# KiCad board panel.opm-inline.kicad_pcb (continued)
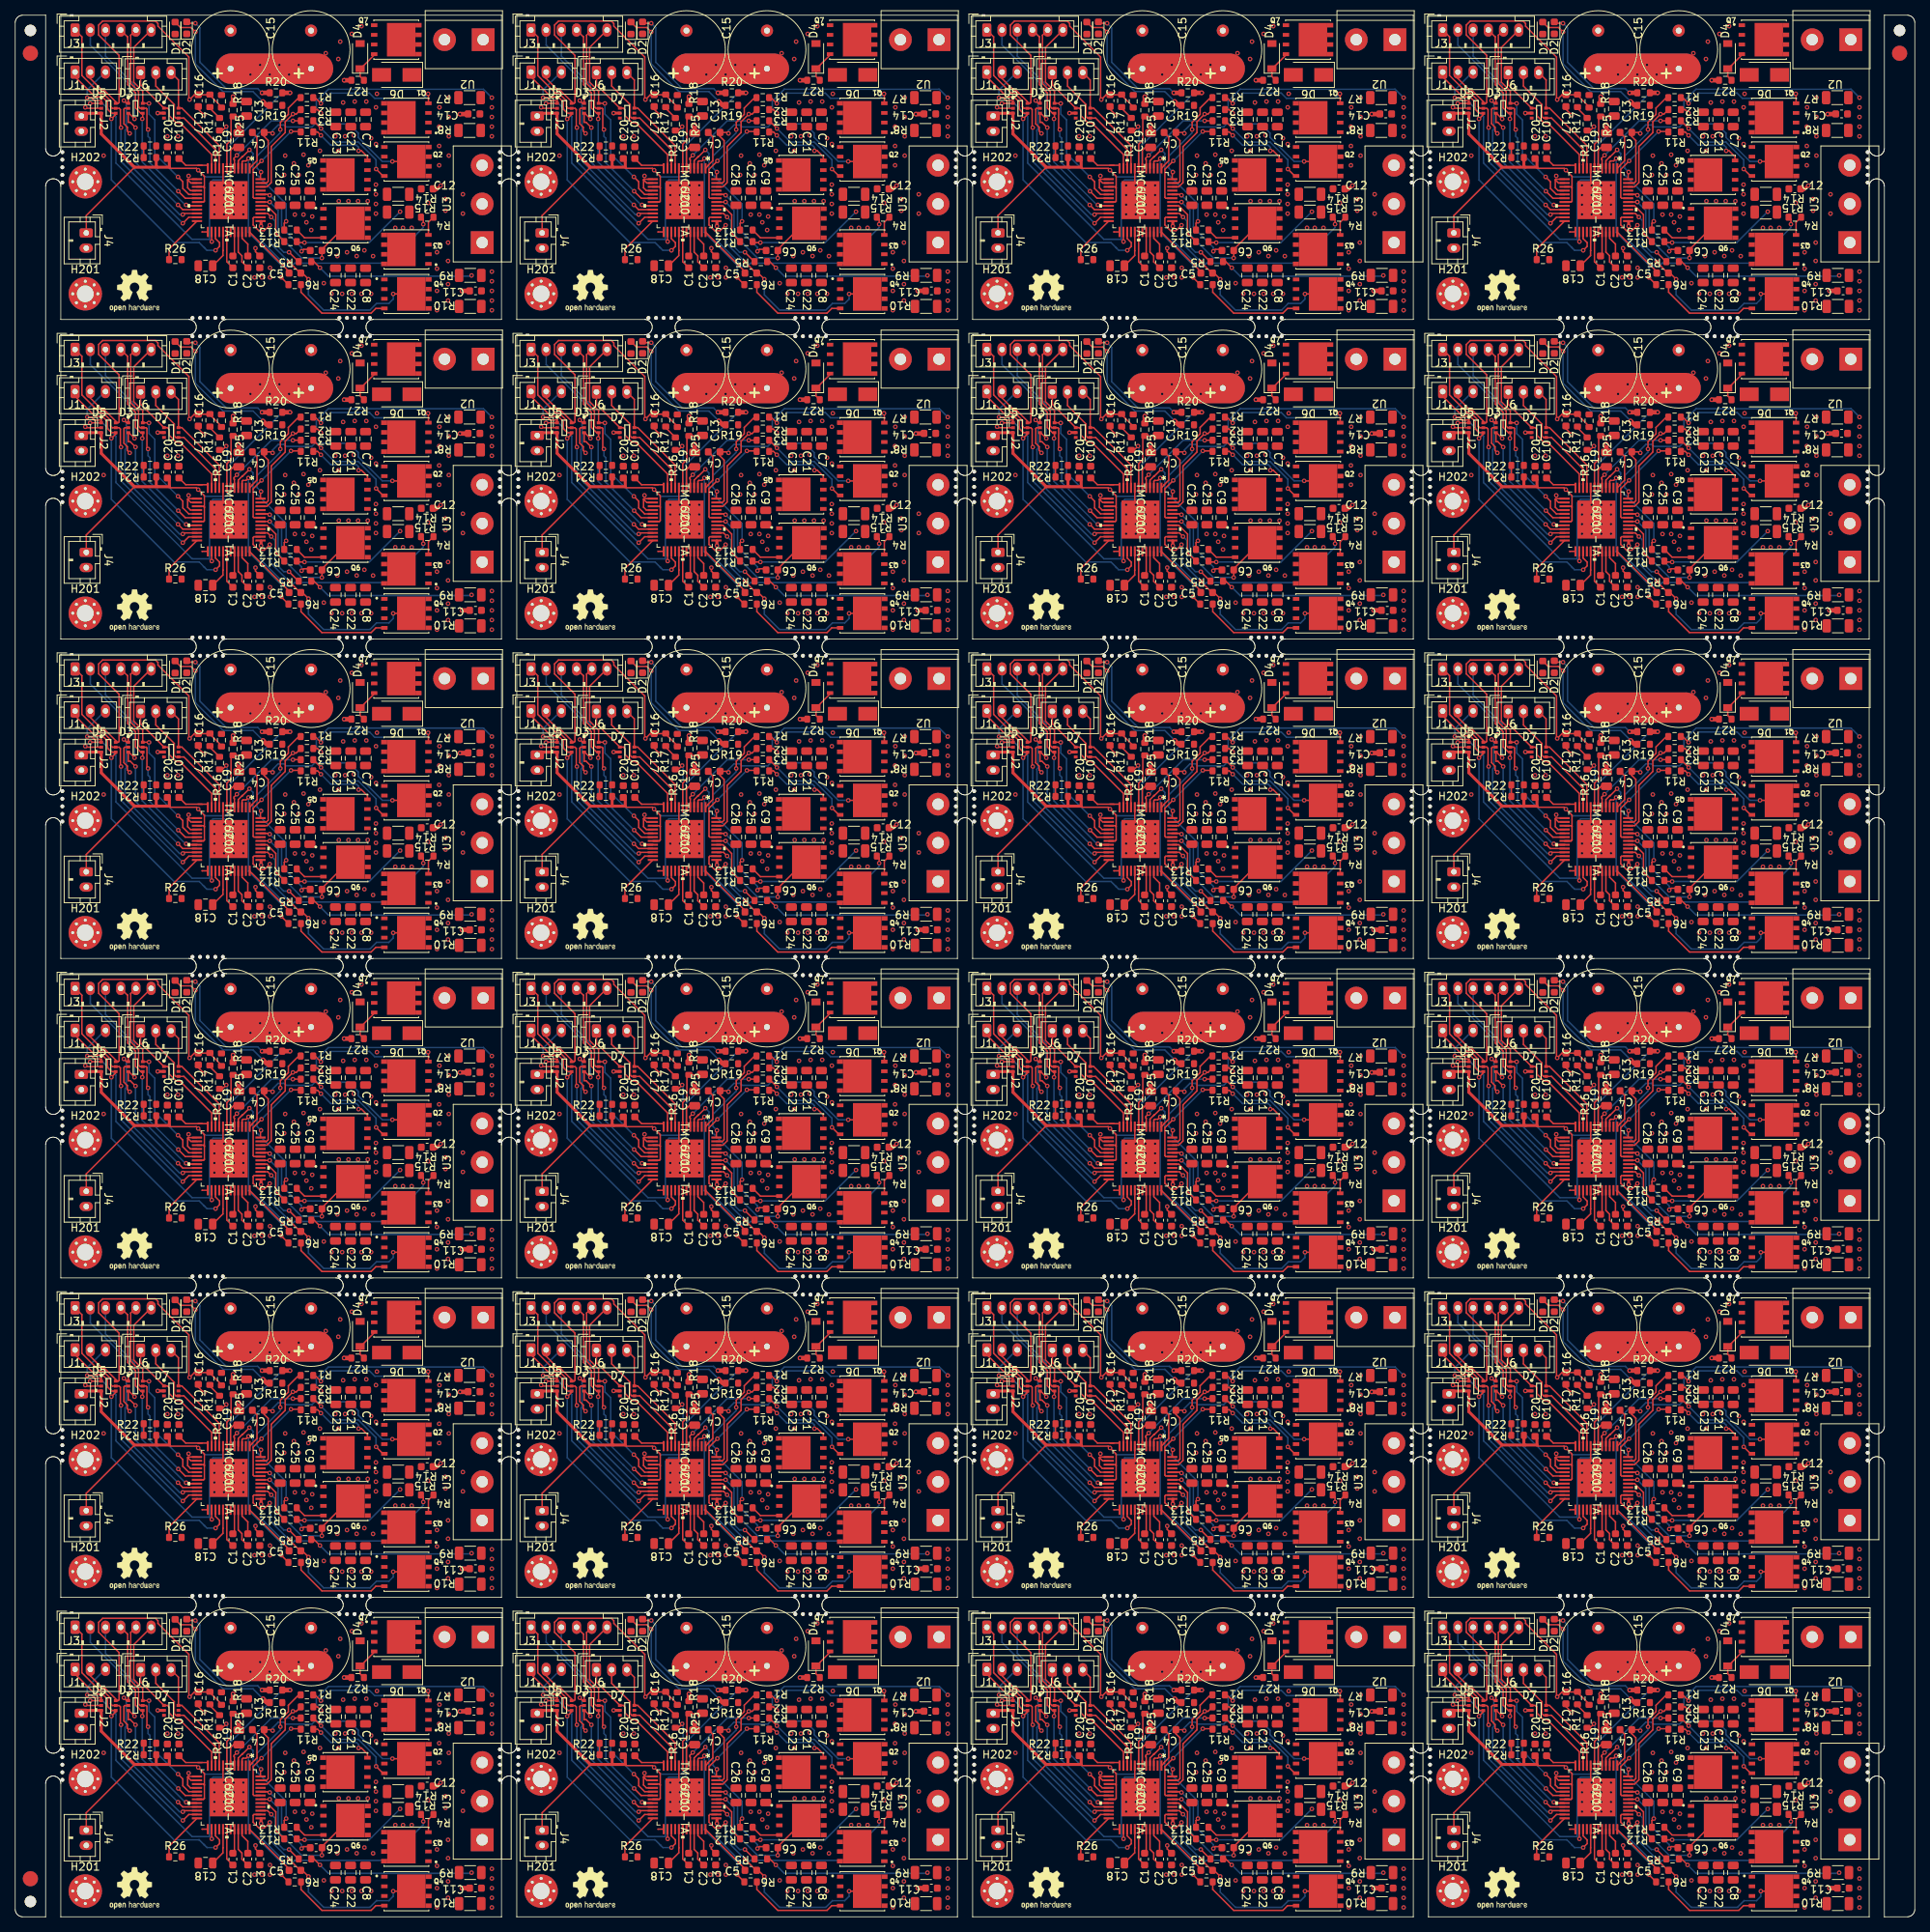
[diagram p0: board, top side]
## Routing (per net, layer and track width the routed paths; a pad name or vN(x,y) marks a point on that pad's centre or on a via; arc(x,y) is an arc through that point) (continued)
Board_4-GND: length 31.2
  Top w0.2: 59.54,194.97 C14#24.2 ; C17#18.2 24.07,195.6 v1(24.84,194.84) ; D5#22.2 9.34,195.73 v1(9.21,195.86) ; 24.58,179.47 24.59,179.48 IC1#12.25 25.33,179.37 ; 29.83,185.41 IC1#12.EPAD ; IC1#12.EPAD 27.33,184.41 IC1#12.8 ; IC1#12.EPAD 25.83,181.41 ; v1(15.06,192.43) 14.76,192.73 14.76,193.23 14.29,193.7 14.29,195.6 14.42,195.73 D3#3.2 ; C3.2 31.59,176.88 v1(31.59,177.34) ; 18.74,195.09 v1(18.74,195.09) ; IC1#12.13 22.75,186.41 22.68,186.33 ; IC1#12.14 23.1,185.91 22.68,186.33 ; 22.68,186.33 22.68,185.28 23.05,184.91 IC1#12.16
  Top w0.4: 54.95,185.06 55.44,185.06 v1(55.95,185.57) ; D7#12.2 18.74,195.09
  Top w0.6: v1(43.25,199.41) R27#8.2 ; v1(58.74,171.73) C11#3.2 ; v1(58.49,194.97) 59.54,194.97 ; C19#6.2 v1(29.41,193.57)
  vias: v1(11.63,189.51) v1(20.01,192.05) v1(21.41,192.05) v1(22.8,186.84) v1(26.19,185.6) v1(26.19,184.33) v1(26.19,183.06) v1(26.19,181.79) v1(27.46,185.6) v1(27.46,184.33) v1(27.46,183.06) v1(27.46,181.79) v1(28.73,185.6) v1(28.73,184.33) v1(28.73,183.06) v1(28.73,181.79) v1(30,185.6) v1(30,184.33) v1(30,183.06) v1(30,181.79) v1(36.77,181.76) v1(37.92,181.76) v1(38.3,180.74) v1(38.93,179.73) v1(39.06,181.5) v1(40.58,172.74) v1(41.6,171.34) v1(42.11,192.05) v1(43,171.34) v1(43.38,192.05) v1(44.27,171.34) v1(44.52,192.17) v1(45.54,171.34) v1(46.81,191.79) v1(46.81,171.34) v1(47.44,191.03)
Board_4-Net-(C1-Pad1): length 5
  Top w0.2: IC1#12.30 27.83,175.56 C1.1
Board_4-Net-(C1-Pad2): length 3.2
  Top w0.2: C1.2 28.83,176.53 IC1#12.32
Board_4-Net-(C2-Pad2): length 3.5
  Top w0.2: IC1#12.34 29.83,178.64 30.59,177.88 C2#10.2
Board_4-Net-(C4-Pad1): length 31
  Top w0.2: C4#22.1 32.74,192.08 ; C4#22.1 33.73,192.55 v1(33.85,192.43) ; C4#22.1 32.74,192.02 33.27,191.48 33.27,186.13 33.05,185.91 IC1#12.47 ; v1(49.6,188.74) 49.61,188.74 Q2#20.5
  Bottom w0.2: v1(33.85,192.43) 33.85,192.81 34.58,193.53 35.34,193.53 35.6,193.28 39.03,193.28 39.42,193.67 43.91,193.67 45.12,192.46 45.12,191.9 48.28,188.74 v1(49.6,188.74)
  vias: v1(55.79,195.86) v1(55.75,193.32) v1(55.75,190.78) v1(55.75,188.24) v1(57.02,197.13) v1(57.02,194.59) v1(57.02,192.05) v1(57.02,189.51)
Board_4-Net-(C4-Pad2): length 5.4
  Top w0.2: C4#22.2 31.79,191.95 31.79,188.84 31.19,188.24 31.19,188.19 IC1#12.1
Board_4-Net-(C5-Pad1): length 7.4
  Top w0.2: IC1#12.36 30.83,179.45 36.01,174.27
Board_4-Net-(C5-Pad2): length 31.7
  Top w0.2: v1(49.71,171.33) Q4#23.5 ; v1(38.56,173.26) 37.76,174.07 C5.2 ; v1(33.47,180.36) 32.74,179.63 32.04,179.63 31.29,180.39 31.29,181.29 31.41,181.41 IC1#12.38 ; 37.56,174.27 37.28,174.27 v1(36.01,175.54)
  Bottom w0.2: v1(33.47,180.36) 33.57,180.26 33.57,177.98 v1(36.01,175.54) ; v1(49.71,171.33) 49.71,170.64 49.14,170.07 47.51,170.07 46.64,169.21 40.56,169.21 38.56,171.2 v1(38.56,173.26)
  vias: v1(55.46,176.81) v1(55.46,174.65) v1(55.46,171.73) v1(55.46,169.19) v1(56.92,178.08) v1(56.92,175.66) v1(56.92,172.61) v1(56.92,170.46)
Board_4-Net-(C6-Pad1): length 19.3
  Top w0.2: v1(33.47,183.41) 33.47,183.41 IC1#12.42 ; Q6#15.5 43.77,180.62 40.34,177.19 40.34,176.06 v1(40.33,176.04)
  Bottom w0.2: v1(33.47,183.41) 34.57,182.31 34.57,179.14 37.66,176.04 v1(40.33,176.04)
  vias: v1(42.55,183.53) v1(43.82,183.53) v1(45.09,183.53) v1(46.36,183.53) v1(47.43,185.7) v1(47.43,184.43) v1(47.43,183.16) v1(47.43,181.89)
Board_4-Net-(C6-Pad2): length 12.4
  Top w0.2: v1(37.66,176.93) 37.92,177.19 38.79,177.19 ; v1(33.47,184.3) 33.36,184.41 IC1#12.44 33.11,184.41
  Bottom w0.2: v1(37.66,176.93) 37.66,177.44 35.03,180.07 35.03,182.74 v1(33.47,184.3)
Board_4-Net-(D1-Pad2): length 19.4
  Top w0.2: R19#22.1 33.09,196.11 ; D1#3.2 21.74,206.35 23.11,206.35 v1(23.69,205.76)
  Top w0.6: 33.09,196.11 v1(32.58,196.62)
  Bottom w0.2: v1(23.69,205.76) 23.69,201.57 27.34,197.92 31.28,197.92 v1(32.58,196.62)
Board_4-Net-(D2-Pad2): length 17.4
  Top w0.2: v1(23.69,206.9) 22.73,206.9 D2#17.2
  Top w0.6: R20#7.1 v1(32.46,197.76)
  Bottom w0.2: v1(23.69,206.9) 24.29,206.3 24.29,201.78 27.75,198.32 31.89,198.32 v1(32.46,197.76)
Board_4-Net-(D4-Pad1): length 4.4
  Top w0.2: 45.41,200.94 47.21,202.74 Q7#13.4 ; D4#22.1 45.36,199.91 R27#8.1
Board_4-Net-(IC1-Pad3): length 20.6
  Top w0.2: v1(30.68,189.12) 30.36,188.81 29.95,188.81 29.83,188.69 IC1#12.3 ; v1(35,173.5) 35,173.48 R6#10.2
  Bottom w0.2: v1(30.68,189.12) 30.68,179.42 35,175.1 v1(35,173.5)
Board_4-Net-(IC1-Pad4): length 16.7
  Top w0.2: 29.83,189.34 29.92,189.42 ; 29.83,189.34 29.33,188.84 IC1#12.4 29.33,188.65 ; 29.83,189.34 29.87,189.34 v1(30.8,190.27) ; v1(35.63,180.87) 35.38,180.62 R13#18.2
  Bottom w0.2: v1(35.63,180.87) 35.63,183.16 31.28,187.51 31.28,189.79 v1(30.8,190.27)
Board_4-Net-(IC1-Pad5): length 12.2
  Top w0.2: v1(29.15,189.55) 28.77,189.17 28.77,189 28.83,188.94 IC1#12.5 ; R3#15.2 36.53,194.09 v1(36.52,194.08)
  Bottom w0.2: v1(29.15,189.55) 33.68,194.08 v1(36.52,194.08)
Board_4-Net-(IC1-Pad24): length 6.6
  Top w0.2: R26.1 20.23,177.23 IC1#12.24
Board_4-Net-(IC1-Pad37): length 28.9
  Top w0.2: v1(53.66,180.49) 53.66,181.11 R4#9.2 ; 32.33,180.84 IC1#12.37
  Top w0.4: v1(32.33,180.23) 32.33,180.84
  Bottom w0.2: v1(53.66,180.49) 53.66,180.06 48.97,175.37 36.74,175.37 36.3,174.94 35.72,174.94 32.33,178.33 v1(32.33,180.23)
Board_4-Net-(IC1-Pad39): length 9.3
  Top w0.2: 37.28,175.77 37.05,175.77 v1(36.01,176.81) ; v1(33.67,181.43) 33.2,181.91 IC1#12.39
  Bottom w0.2: v1(33.67,181.43) 34.17,180.93 34.17,177.94 35.31,176.81 v1(36.01,176.81)
Board_4-Net-(IC1-Pad41): length 6.5
  Top w0.2: IC1#12.41 33.11,182.91 34.27,181.75 34.27,179.31 R12#10.2
Board_4-Net-(IC1-Pad43): length 13.1
  Top w0.2: IC1#12.43 31.41,183.91 31.29,184.03 31.29,187.7 v1(32.39,188.81) ; v1(36.27,192.68) 37.49,192.68 R11#13.2
  Bottom w0.2: v1(32.39,188.81) v1(36.27,192.68)
Board_4-Net-(IC1-Pad46): length 13.1
  Top w0.2: IC1#12.46 33.11,185.41 33.67,185.96 33.67,190.7 35.5,192.54 35.5,193.95 v1(36.52,194.97) 36.96,194.97 R2#24.2
Board_4-Net-(IC1-Pad48): length 13.8
  Top w0.2: R1#14.2 37.28,197.13 35.92,195.76 35.92,194.93 34.87,193.88 v1(34.87,192.93) ; v1(32.33,187.35) 32.26,187.28 IC1#12.48
  Bottom w0.2: v1(34.87,192.93) 34.87,192.51 31.79,189.43 31.79,187.88 v1(32.33,187.35) 32.33,187.6
Board_4-Net-(Q1-Pad4): length 17.8
  Top w0.2: Q1#10.4 54.34,197.59 v1(54.3,197.63) ; R1#14.1 39.44,197.13 v1(40.2,196.36)
  Bottom w0.2: v1(54.3,197.63) 53.7,197.03 47.28,197.03 46.59,197.73 41.56,197.73 v1(40.2,196.36)
Board_4-Net-(Q2-Pad4): length 13.2
  Top w0.2: v1(47.46,187.74) 48.37,186.83 Q2#20.4 ; 40.33,192.96 v1(40.21,193.07) R3#15.1
  Bottom w0.2: v1(47.46,187.74) 47.46,188.95 45.12,191.28 42,191.28 v1(40.21,193.07)
Board_4-Net-(Q3-Pad4): length 2.6
  Top w0.2: R4#9.1 54.34,180.75 Q3#12.4
Board_4-Net-(Q4-Pad4): length 13.5
  Top w0.2: Q4#23.4 47.42,169.42 46.81,168.8 40.33,168.8 37.58,171.55 R6#10.1 37.78,172.55
Board_4-Net-(Q5-Pad4): length 9.2
  Top w0.2: v1(40.2,192.17) 39.76,192.62 R11#13.1 ; Q5#2.4 46.32,189.36 45.54,190.14 v1(45.16,190.14)
  Bottom w0.2: v1(40.2,192.17) 41.5,190.88 44.88,190.88 45.16,190.6 v1(45.16,190.14)
Board_4-Net-(Q6-Pad4): length 3.9
  Top w0.2: R13#18.1 38.04,178.71 Q6#15.4
Board_4-Net-(R16-Pad2): length 2
  Top w0.2: R16.2 25.6,195.73 R17#14.1
Board_5-/+VM: length 61.7
  Top w0.2: IC1#7.33 89.28,176.82 89.77,176.34 89.77,175.54 C2#4.1
  Top w0.6: R25#5.2 v1(88.6,197.25)
  Top w4: 88.34,200.94 99.77,200.94
  In1.Cu w4: 88.6,200.94 98.4,200.94
  In2.Cu w4: 88.34,200.94 99.77,200.94 88.34,200.94
  Bottom w4: 88.34,200.94 99.77,200.94
  vias: v1(90.88,200.17) v1(91.41,173.5) v1(92.15,201.44) v1(92.38,173.5) v1(93.42,200.17) v1(93.45,174.77) v1(93.45,173.5) v1(94.69,201.44) v1(95.33,186.97) v1(95.45,189.51) v1(95.96,200.17) v1(96.6,188.49) v1(97.23,201.44) v1(97.23,186.97) v1(97.87,189.63) v1(98.5,188.24) v1(100.03,190.14) v1(100.79,202.97) v1(102.31,176.31) v1(102.44,202.21) v1(102.44,190.14) v1(102.69,204.49) v1(103.07,196.49) v1(103.58,176.81) v1(104.22,205.51) v1(104.6,196.62) v1(104.85,176.31) v1(105.49,206.52) v1(105.87,177.06) v1(106.12,196.62) v1(107.01,176.3) v1(107.39,195.86) v1(107.52,197.63) v1(109.93,180.02) v1(110.95,180.02) v1(112.09,180.02)
Board_5-/ADC_I_u: length 15.5
  Top w0.2: IC1#7.9 86.78,190.83 81.87,195.74 D7#4.6 81.42,199.45 J6#12.3
Board_5-/ADC_I_v: length 17.7
  Top w0.2: 86.22,188.32 86.28,188.26 IC1#7.10 86.28,190.3 82.13,194.44 D7#4.4 81.08,194.44 80.87,194.65 80.87,196.22 78.44,198.65 J6#12.2 78.94,199.92
Board_5-/ADC_I_w: length 17
  Top w0.2: IC1#7.11 85.78,189.65 81.61,193.82 81.13,193.82 80.21,194.74 80.21,195.5 79.97,195.74 D7#4.1 76.44,198.83 J6#12.1
Board_5-/Connectors/VOFS: length 1.8
  Top w0.2: R22#14.1 R21#5.2 ; 76.53,189.12 76.85,189.12
Board_5-/DRV_EN: length 38.5
  Top w0.2: v1(72.59,194.33) 73.16,194.9 D5#21.4 72.61,195.08 72.09,195.6 72.09,196.55 71.39,197.24 70.45,197.24 67.82,199.87 J1#14.1 ; v1(86.3,177.06) 86.82,177.58 86.82,178.07 86.28,178.6 IC1#7.27 86.28,179.06 86.3,179.04
  Bottom w0.2: 84.79,177.44 84.91,177.31 ; 84.79,177.44 84.15,178.08 80.83,178.08 72.59,186.31 v1(72.59,194.33) ; 84.79,177.44 85.17,177.06 v1(86.3,177.06)
Board_5-/FAULT: length 63.4
  Top w0.2: v1(69.8,196.36) 69.82,196.38 D5#21.1 71.26,196.69 ; 71.32,196.74 70.38,196.74 70,197.13 v1(69.42,197.13) ; v1(85.8,178.2) 85.78,178.22 IC1#7.26
  Top w0.6: R20#11.2 v1(96.09,197.76)
  Bottom w0.2: 73.1,194.71 72.88,194.93 ; 73.1,194.71 73.19,194.62 73.19,188.53 83.22,178.5 85.5,178.5 ; 73.1,194.71 71.45,196.36 v1(69.8,196.36) ; 85.5,178.5 v1(85.8,178.2) ; 85.5,178.5 85.5,185.84 85.97,186.31 88,186.31 88.23,186.55 88.23,190.92 R20#11.2 v1(96.09,197.76) ; J1#14.3 71.76,200.49 69.42,198.14 v1(69.42,197.13)
Board_5-/Motor Driver/VOFS: length 4.7
  Top w0.2: 83.99,188.24 85.26,188.24 ; C10#7.1 82.37,188.24 84.53,188.24
Board_5-/TEMP_PCB: length 42.5
  Top w0.2: 73.16,203.13 73.15,203.14 ; 73.15,203.14 73.61,202.68 73.61,196.49 73.5,196.38 D5#21.6 73.16,196.6 71.73,198.04 71.43,198.04 69.82,199.64 J1#14.2 ; 73.15,203.14 70.92,205.37 70.92,206.66 71.45,207.19 78.4,207.19 78.72,206.87 78.72,206.53 82.79,202.46 82.79,196.96 v1(82.88,196.87) 83.52,197.51 C17#7.1 85.52,197.51 R17#24.2 85.55,197.44 87.07,195.92
Board_5-/U: length 27.2
  Top w0.2: R2#15.1 99.69,195.56 v1(100.15,195.09)
  Bottom w0.2: v1(122.63,197.13) 121.52,198.23 101.14,198.23 99.55,196.65 99.55,195.69 v1(100.15,195.09)
  vias: v1(122.63,195.86) v1(122.63,194.59) v1(122.63,193.32) v1(122.63,192.05)
Board_5-/UH: length 27.5
  Top w0.2: v1(81.36,186.71) 81.99,186.08 81.99,185.19 82.77,184.41 IC1#7.17 ; 77.82,205.66 J3#11.6 75.54,203.73 75.54,199.16 76.72,197.98 D3#22.6 77.53,196.38 v1(77.55,196.36)
  Bottom w0.2: v1(77.55,196.36) 77.55,194.97 78.31,194.21 78.31,189.76 v1(81.36,186.71)
Board_5-/UL: length 27.4
  Top w0.2: v1(77.42,192.93) 77.27,193.09 77.27,195.63 77.17,195.73 D3#22.5 76.38,195.73 76.17,195.94 76.17,197.94 76.02,198.08 76.02,198.11 75.14,198.99 75.14,205.33 J3#11.5 ; IC1#7.18 82.31,183.91 v1(81.39,184.83)
  Bottom w0.2: v1(77.42,192.93) 77.42,192.05 77.67,191.79 77.67,188.54 v1(81.39,184.83)
Board_5-/V: length 15.3
  Top w0.2: R12#19.1 97.1,178.08 v1(97.99,178.08)
  Bottom w0.2: v1(110.57,182.14) 106.5,178.08 v1(97.99,178.08)
  vias: v1(114.25,183.28) v1(116.54,183.79) v1(116.54,182.27) v1(118.82,184.43) v1(118.82,181.89)
Board_5-/VH: length 30.4
  Top w0.2: v1(82.43,183.03) 82.55,182.91 IC1#7.20 82.98,182.91 ; D3#22.4 76.46,195.08 75.77,195.77 75.77,197.76 75.37,198.16 75.37,198.2 74.74,198.83 74.74,205.13 74.71,205.13 J3#11.4 ; D3#22.4 76.52,195.08 ; D3#22.4 76.72,194.27
  Bottom w0.2: 76.66,194.2 76.66,188.67 82.43,182.91 82.24,182.91 82.24,183.02 ; 74.37,205.47 J3#11.4
  vias: v1(76.66,194.33)
Board_5-/VL: length 32.1
  Top w0.2: IC1#7.21 81.98,182.41 v1(81.36,183.03) ; v1(75.64,194.33) 74.9,195.08 D3#22.3 ; 74.88,195.02 D3#22.3 ; D3#22.3 74.82,193.88 75.07,193.88 v1(75.77,193.19)
  Bottom w0.2: v1(75.64,194.33) 75.64,198.78 71.82,202.6 J3#11.3 ; v1(81.36,183.03) 75.77,188.62 v1(75.77,193.19)
Board_5-/VSA: length 5
  Top w0.2: C18#21.1 87.27,176.38 87.27,177.02 87.28,177.03 IC1#7.29
Board_5-/W: length 21.9
  Top w0.2: 98.91,175.79 98.88,175.77 ; R5#7.1 99.23,175.57 v1(100.03,174.77)
  Bottom w0.2: v1(100.03,174.77) 101.13,173.67 119.87,173.67 v1(119.97,173.76)
  vias: v1(122.63,174.27) v1(122.63,173) v1(122.63,171.73) v1(122.63,170.46) v1(122.63,169.19)
Board_5-/WH: length 33.7
  Top w0.2: v1(74.25,196.74) 74.61,196.38 D3#22.1 ; IC1#7.22 82.14,181.91 v1(81.99,181.76) ; D3#22.1 74.75,196.44 ; D3#22.1 74.82,197.19 v1(75.01,197.38)
  Bottom w0.2: 74.86,188.47 81.57,181.76 v1(81.99,181.76) ; 74.86,188.47 74.41,188.92 74.41,192.84 74.55,192.98 74.55,196.44 v1(74.25,196.74) ; 74.86,188.47 74.75,188.57 ; 73.46,200.39 73.26,200.59 ; 73.26,200.59 69.82,204.03 J3#11.2 ; 73.26,200.59 74.66,199.19 ; 74.75,199.1 74.66,199.19 ; 74.66,199.19 75.01,198.85 v1(75.01,197.38)
Board_5-/WL: length 34.8
  Top w0.2: IC1#7.23 82.78,181.41 v1(81.99,180.62) ; v1(73.86,193.19) 73.78,193.27 73.78,195.56 73.61,195.73 D5#21.5 72.71,195.73 72.49,195.96 72.49,196.71 71.56,197.64 71.12,197.64 68.72,200.04 68.72,205.12 J3#11.1 67.84,206.02
  Bottom w0.2: v1(81.99,180.62) 73.86,188.74 v1(73.86,193.19) ; 67.82,205.47 J3#11.1
Board_5-GND: length 31.2
  Top w0.2: 119.49,194.97 C14#19.2 ; C17#7.2 84.02,195.6 v1(84.79,194.84) ; D5#21.2 69.29,195.73 v1(69.17,195.86) ; 84.53,179.47 84.54,179.48 IC1#7.25 85.28,179.37 ; 89.78,185.41 IC1#7.EPAD ; IC1#7.EPAD 87.28,184.41 IC1#7.8 ; IC1#7.EPAD 85.78,181.41 ; v1(75.01,192.43) 74.71,192.73 74.71,193.23 74.25,193.7 74.25,195.6 74.37,195.73 D3#22.2 ; C3#10.2 91.54,176.88 v1(91.54,177.34) ; IC1#7.13 82.7,186.41 82.63,186.33 ; IC1#7.14 83.05,185.91 82.63,186.33 ; 82.63,186.33 82.63,185.28 83,184.91 IC1#7.16
  Top w0.4: 114.9,185.06 115.39,185.06 v1(115.9,185.57) ; D7#4.2 v1(78.69,195.09)
  Top w0.6: v1(103.2,199.41) R27#15.2 ; v1(118.7,171.73) C11#8.2 ; v1(118.44,194.97) 119.49,194.97 ; C19#21.2 v1(89.36,193.57)
  vias: v1(71.58,189.51) v1(79.96,192.05) v1(81.36,192.05) v1(82.75,186.84) v1(86.14,185.6) v1(86.14,184.33) v1(86.14,183.06) v1(86.14,181.79) v1(87.41,185.6) v1(87.41,184.33) v1(87.41,183.06) v1(87.41,181.79) v1(88.68,185.6) v1(88.68,184.33) v1(88.68,183.06) v1(88.68,181.79) v1(89.95,185.6) v1(89.95,184.33) v1(89.95,183.06) v1(89.95,181.79) v1(96.72,181.76) v1(97.87,181.76) v1(98.25,180.74) v1(98.88,179.73) v1(99.01,181.5) v1(100.53,172.74) v1(101.55,171.34) v1(102.06,192.05) v1(102.95,171.34) v1(103.33,192.05) v1(104.22,171.34) v1(104.47,192.17) v1(105.49,171.34) v1(106.76,191.79) v1(106.76,171.34) v1(107.39,191.03)
Board_5-Net-(C1-Pad1): length 5
  Top w0.2: IC1#7.30 87.78,175.56 C1#2.1
Board_5-Net-(C1-Pad2): length 3.2
  Top w0.2: C1#2.2 88.78,176.53 IC1#7.32
Board_5-Net-(C2-Pad2): length 3.5
  Top w0.2: IC1#7.34 89.78,178.64 90.54,177.88 C2#4.2
Board_5-Net-(C4-Pad1): length 31
  Top w0.2: C4#16.1 92.69,192.08 ; C4#16.1 93.68,192.55 v1(93.8,192.43) ; C4#16.1 92.69,192.02 93.22,191.48 93.22,186.13 93,185.91 IC1#7.47 ; v1(109.55,188.74) 109.56,188.74 Q2#24.5
  Bottom w0.2: v1(93.8,192.43) 93.8,192.81 94.53,193.53 95.29,193.53 95.55,193.28 98.98,193.28 99.37,193.67 103.86,193.67 105.07,192.46 105.07,191.9 108.23,188.74 v1(109.55,188.74)
  vias: v1(115.7,193.32) v1(115.7,190.78) v1(115.7,188.24) v1(115.74,195.86) v1(116.97,197.13) v1(116.97,194.59) v1(116.97,192.05) v1(116.97,189.51)
Board_5-Net-(C4-Pad2): length 5.4
  Top w0.2: C4#16.2 91.74,191.95 91.74,188.84 91.14,188.24 91.14,188.19 IC1#7.1
Board_5-Net-(C5-Pad1): length 7.4
  Top w0.2: IC1#7.36 90.78,179.45 95.96,174.27
Board_5-Net-(C5-Pad2): length 31.7
  Top w0.2: v1(109.66,171.33) Q4#11.5 ; v1(98.52,173.26) 97.71,174.07 C5#17.2 ; v1(93.42,180.36) 92.7,179.63 91.99,179.63 91.24,180.39 91.24,181.29 91.36,181.41 IC1#7.38 ; 97.51,174.27 97.23,174.27 v1(95.96,175.54)
  Bottom w0.2: v1(93.42,180.36) 93.52,180.26 93.52,177.98 v1(95.96,175.54) ; v1(109.66,171.33) 109.66,170.64 109.09,170.07 107.46,170.07 106.59,169.21 100.51,169.21 98.52,171.2 v1(98.52,173.26)
  vias: v1(115.41,176.81) v1(115.41,174.65) v1(115.41,171.73) v1(115.41,169.19) v1(116.87,178.08) v1(116.87,175.66) v1(116.87,172.61) v1(116.87,170.46)
Board_5-Net-(C6-Pad1): length 19.3
  Top w0.2: v1(93.42,183.41) 93.42,183.41 IC1#7.42 ; Q6#2.5 103.72,180.62 100.29,177.19 100.29,176.06 v1(100.28,176.04)
  Bottom w0.2: v1(93.42,183.41) 94.52,182.31 94.52,179.14 97.61,176.04 v1(100.28,176.04)
  vias: v1(102.5,183.53) v1(103.77,183.53) v1(105.04,183.53) v1(106.31,183.53) v1(107.38,185.7) v1(107.38,184.43) v1(107.38,183.16) v1(107.38,181.89)
Board_5-Net-(C6-Pad2): length 12.4
  Top w0.2: v1(97.61,176.93) 97.87,177.19 98.74,177.19 ; v1(93.42,184.3) 93.32,184.41 IC1#7.44 93.06,184.41
  Bottom w0.2: v1(97.61,176.93) 97.61,177.44 94.98,180.07 94.98,182.74 v1(93.42,184.3)
Board_5-Net-(D1-Pad2): length 19.4
  Top w0.2: R19#16.1 93.04,196.11 ; D1#12.2 81.69,206.35 83.06,206.35 v1(83.64,205.76)
  Top w0.6: 93.04,196.11 v1(92.53,196.62)
  Bottom w0.2: v1(83.64,205.76) 83.64,201.57 87.29,197.92 91.23,197.92 v1(92.53,196.62)
Board_5-Net-(D2-Pad2): length 17.4
  Top w0.2: v1(83.64,206.9) 82.68,206.9 D2#11.2
  Top w0.6: R20#11.1 v1(92.41,197.76)
  Bottom w0.2: v1(83.64,206.9) 84.24,206.3 84.24,201.78 87.7,198.32 91.84,198.32 v1(92.41,197.76)
Board_5-Net-(D4-Pad1): length 4.4
  Top w0.2: 105.36,200.94 107.16,202.74 Q7#18.4 ; D4#18.1 105.31,199.91 R27#15.1
Board_5-Net-(IC1-Pad3): length 20.6
  Top w0.2: v1(90.63,189.12) 90.31,188.81 89.9,188.81 89.78,188.69 IC1#7.3 ; v1(94.95,173.5) 94.95,173.48 R6#9.2
  Bottom w0.2: v1(90.63,189.12) 90.63,179.42 94.95,175.1 v1(94.95,173.5)
Board_5-Net-(IC1-Pad4): length 16.7
  Top w0.2: 89.78,189.34 89.87,189.42 ; 89.78,189.34 89.28,188.84 IC1#7.4 89.28,188.65 ; 89.78,189.34 89.82,189.34 v1(90.76,190.27) ; v1(95.58,180.87) 95.33,180.62 R13#2.2
  Bottom w0.2: v1(95.58,180.87) 95.58,183.16 91.23,187.51 91.23,189.79 v1(90.76,190.27)
Board_5-Net-(IC1-Pad5): length 12.2
  Top w0.2: v1(89.1,189.55) 88.72,189.17 88.72,189 88.78,188.94 IC1#7.5 ; R3#2.2 96.48,194.09 v1(96.47,194.08)
  Bottom w0.2: v1(89.1,189.55) 93.63,194.08 v1(96.47,194.08)
Board_5-Net-(IC1-Pad24): length 6.6
  Top w0.2: R26#10.1 80.18,177.23 IC1#7.24
Board_5-Net-(IC1-Pad37): length 28.9
  Top w0.2: v1(113.62,180.49) 113.62,181.11 R4#21.2 ; 92.28,180.84 IC1#7.37
  Top w0.4: v1(92.28,180.23) 92.28,180.84
  Bottom w0.2: v1(113.62,180.49) 113.62,180.06 108.92,175.37 96.69,175.37 96.25,174.94 95.67,174.94 92.28,178.33 v1(92.28,180.23)
Board_5-Net-(IC1-Pad39): length 9.3
  Top w0.2: 97.23,175.77 97,175.77 v1(95.96,176.81) ; v1(93.62,181.43) 93.15,181.91 IC1#7.39
  Bottom w0.2: v1(93.62,181.43) 94.12,180.93 94.12,177.94 95.26,176.81 v1(95.96,176.81)
Board_5-Net-(IC1-Pad41): length 6.5
  Top w0.2: IC1#7.41 93.06,182.91 94.22,181.75 94.22,179.31 R12#19.2
Board_5-Net-(IC1-Pad43): length 13.1
  Top w0.2: IC1#7.43 91.36,183.91 91.24,184.03 91.24,187.7 v1(92.34,188.81) ; v1(96.22,192.68) 97.44,192.68 R11#22.2
  Bottom w0.2: v1(92.34,188.81) v1(96.22,192.68)
Board_5-Net-(IC1-Pad46): length 13.1
  Top w0.2: IC1#7.46 93.06,185.41 93.62,185.96 93.62,190.7 95.45,192.54 95.45,193.95 v1(96.47,194.97) 96.91,194.97 R2#15.2
Board_5-Net-(IC1-Pad48): length 13.8
  Top w0.2: R1#4.2 97.23,197.13 95.87,195.76 95.87,194.93 94.82,193.88 v1(94.82,192.93) ; v1(92.28,187.35) 92.21,187.28 IC1#7.48
  Bottom w0.2: v1(94.82,192.93) 94.82,192.51 91.74,189.43 91.74,187.88 v1(92.28,187.35) 92.28,187.6
Board_5-Net-(Q1-Pad4): length 17.8
  Top w0.2: Q1#2.4 114.29,197.59 v1(114.25,197.63) ; R1#4.1 99.39,197.13 v1(100.15,196.36)
  Bottom w0.2: v1(114.25,197.63) 113.65,197.03 107.23,197.03 106.54,197.73 101.52,197.73 v1(100.15,196.36)
Board_5-Net-(Q2-Pad4): length 13.2
  Top w0.2: v1(107.41,187.74) 108.32,186.83 Q2#24.4 ; 100.28,192.96 v1(100.16,193.07) R3#2.1
  Bottom w0.2: v1(107.41,187.74) 107.41,188.95 105.07,191.28 101.95,191.28 v1(100.16,193.07)
Board_5-Net-(Q3-Pad4): length 2.6
  Top w0.2: R4#21.1 114.29,180.75 Q3#16.4
Board_5-Net-(Q4-Pad4): length 13.5
  Top w0.2: Q4#11.4 107.37,169.42 106.76,168.8 100.28,168.8 97.53,171.55 R6#9.1 97.73,172.55
Board_5-Net-(Q5-Pad4): length 9.2
  Top w0.2: v1(100.15,192.17) 99.71,192.62 R11#22.1 ; Q5#7.4 106.27,189.36 105.49,190.14 v1(105.11,190.14)
  Bottom w0.2: v1(100.15,192.17) 101.45,190.88 104.83,190.88 105.11,190.6 v1(105.11,190.14)
Board_5-Net-(Q6-Pad4): length 3.9
  Top w0.2: R13#2.1 97.99,178.71 Q6#2.4
Board_5-Net-(R16-Pad2): length 2
  Top w0.2: R16#7.2 85.55,195.73 R17#24.1
Board_6-/+VM: length 61.7
  Top w0.2: IC1#5.33 149.23,176.82 149.72,176.34 149.72,175.54 C2#14.1
  Top w0.6: R25#15.2 v1(148.55,197.25)
  Top w4: 148.29,200.94 159.72,200.94
  In1.Cu w4: 148.55,200.94 158.35,200.94
  In2.Cu w4: 148.29,200.94 159.72,200.94 148.29,200.94
  Bottom w4: 148.29,200.94 159.72,200.94
  vias: v1(150.83,200.17) v1(151.36,173.5) v1(152.1,201.44) v1(152.33,173.5) v1(153.37,200.17) v1(153.4,174.77) v1(153.4,173.5) v1(154.64,201.44) v1(155.28,186.97) v1(155.4,189.51) v1(155.91,200.17) v1(156.55,188.49) v1(157.18,201.44) v1(157.18,186.97) v1(157.82,189.63) v1(158.45,188.24) v1(159.98,190.14) v1(160.74,202.97) v1(162.26,176.31) v1(162.39,202.21) v1(162.39,190.14) v1(162.64,204.49) v1(163.02,196.49) v1(163.53,176.81) v1(164.17,205.51) v1(164.55,196.62) v1(164.8,176.31) v1(165.44,206.52) v1(165.82,177.06) v1(166.07,196.62) v1(166.96,176.3) v1(167.34,195.86) v1(167.47,197.63) v1(169.88,180.02) v1(170.9,180.02) v1(172.04,180.02)
Board_6-/ADC_I_u: length 15.5
  Top w0.2: IC1#5.9 146.73,190.83 141.82,195.74 D7#6.6 141.37,199.45 J6#20.3
Board_6-/ADC_I_v: length 17.7
  Top w0.2: 146.17,188.32 146.23,188.26 IC1#5.10 146.23,190.3 142.08,194.44 D7#6.4 141.03,194.44 140.82,194.65 140.82,196.22 138.39,198.65 J6#20.2 138.89,199.92
Board_6-/ADC_I_w: length 17
  Top w0.2: IC1#5.11 145.73,189.65 141.56,193.82 141.08,193.82 140.16,194.74 140.16,195.5 139.92,195.74 D7#6.1 136.39,198.83 J6#20.1
Board_6-/Connectors/VOFS: length 1.8
  Top w0.2: R22#21.1 R21#21.2 ; 136.48,189.12 136.8,189.12
Board_6-/DRV_EN: length 38.5
  Top w0.2: v1(132.54,194.33) 133.11,194.9 D5#10.4 132.56,195.08 132.04,195.6 132.04,196.55 131.34,197.24 130.4,197.24 127.77,199.87 J1#18.1 ; v1(146.25,177.06) 146.77,177.58 146.77,178.07 146.23,178.6 IC1#5.27 146.23,179.06 146.25,179.04
  Bottom w0.2: 144.74,177.44 144.86,177.31 ; 144.74,177.44 144.1,178.08 140.78,178.08 132.54,186.31 v1(132.54,194.33) ; 144.74,177.44 145.12,177.06 v1(146.25,177.06)
Board_6-/FAULT: length 63.4
  Top w0.2: v1(129.75,196.36) 129.77,196.38 D5#10.1 131.21,196.69 ; 131.27,196.74 130.33,196.74 129.95,197.13 v1(129.37,197.13) ; v1(145.75,178.2) 145.73,178.22 IC1#5.26
  Top w0.6: R20#5.2 v1(156.04,197.76)
  Bottom w0.2: 133.05,194.71 132.83,194.93 ; 133.05,194.71 133.14,194.62 133.14,188.53 143.17,178.5 145.45,178.5 ; 133.05,194.71 131.4,196.36 v1(129.75,196.36) ; 145.45,178.5 v1(145.75,178.2) ; 145.45,178.5 145.45,185.84 145.92,186.31 147.95,186.31 148.18,186.55 148.18,190.92 R20#5.2 v1(156.04,197.76) ; J1#18.3 131.71,200.49 129.37,198.14 v1(129.37,197.13)
Board_6-/Motor Driver/VOFS: length 4.7
  Top w0.2: 143.94,188.24 145.21,188.24 ; C10#23.1 142.32,188.24 144.48,188.24
Board_6-/TEMP_PCB: length 42.5
  Top w0.2: 133.11,203.13 133.1,203.14 ; 133.1,203.14 133.56,202.68 133.56,196.49 133.45,196.38 D5#10.6 133.11,196.6 131.68,198.04 131.38,198.04 129.77,199.64 J1#18.2 ; 133.1,203.14 130.87,205.37 130.87,206.66 131.4,207.19 138.35,207.19 138.67,206.87 138.67,206.53 142.74,202.46 142.74,196.96 v1(142.83,196.87) 143.47,197.51 C17#10.1 145.47,197.51 R17#18.2 145.5,197.44 147.02,195.92
Board_6-/U: length 27.2
  Top w0.2: R2#3.1 159.64,195.56 v1(160.1,195.09)
  Bottom w0.2: v1(182.58,197.13) 181.47,198.23 161.09,198.23 159.5,196.65 159.5,195.69 v1(160.1,195.09)
  vias: v1(182.58,195.86) v1(182.58,194.59) v1(182.58,193.32) v1(182.58,192.05)
Board_6-/UH: length 27.5
  Top w0.2: v1(141.31,186.71) 141.94,186.08 141.94,185.19 142.72,184.41 IC1#5.17 ; 137.77,205.66 J3#15.6 135.49,203.73 135.49,199.16 136.67,197.98 D3#23.6 137.48,196.38 v1(137.5,196.36)
  Bottom w0.2: v1(137.5,196.36) 137.5,194.97 138.26,194.21 138.26,189.76 v1(141.31,186.71)
Board_6-/UL: length 27.4
  Top w0.2: v1(137.37,192.93) 137.22,193.09 137.22,195.63 137.12,195.73 D3#23.5 136.33,195.73 136.12,195.94 136.12,197.94 135.97,198.08 135.97,198.11 135.09,198.99 135.09,205.33 J3#15.5 ; IC1#5.18 142.26,183.91 v1(141.34,184.83)
  Bottom w0.2: v1(137.37,192.93) 137.37,192.05 137.62,191.79 137.62,188.54 v1(141.34,184.83)
Board_6-/V: length 15.3
  Top w0.2: R12#21.1 157.05,178.08 v1(157.94,178.08)
  Bottom w0.2: v1(170.52,182.14) 166.45,178.08 v1(157.94,178.08)
  vias: v1(174.2,183.28) v1(176.49,183.79) v1(176.49,182.27) v1(178.77,184.43) v1(178.77,181.89)
Board_6-/VH: length 30.4
  Top w0.2: v1(142.38,183.03) 142.5,182.91 IC1#5.20 142.93,182.91 ; D3#23.4 136.41,195.08 135.72,195.77 135.72,197.76 135.32,198.16 135.32,198.2 134.69,198.83 134.69,205.13 134.66,205.13 J3#15.4 ; D3#23.4 136.47,195.08 ; D3#23.4 136.67,194.27
  Bottom w0.2: 136.61,194.2 136.61,188.67 142.38,182.91 142.19,182.91 142.19,183.02 ; 134.32,205.47 J3#15.4